# Altium PCB WX0.009.154PCB-4.2.PcbDoc (part 2 of 2)
Units mm, origin at the board's own origin, x right, y up, seen from the top; angles counter-clockwise.
Board outline 122.2 x 217 mm, 2 copper layers (Top Layer, Bottom Layer), stack 1.58 mm thick; 181 components, 142 nets, 624 pads, 569 vias.
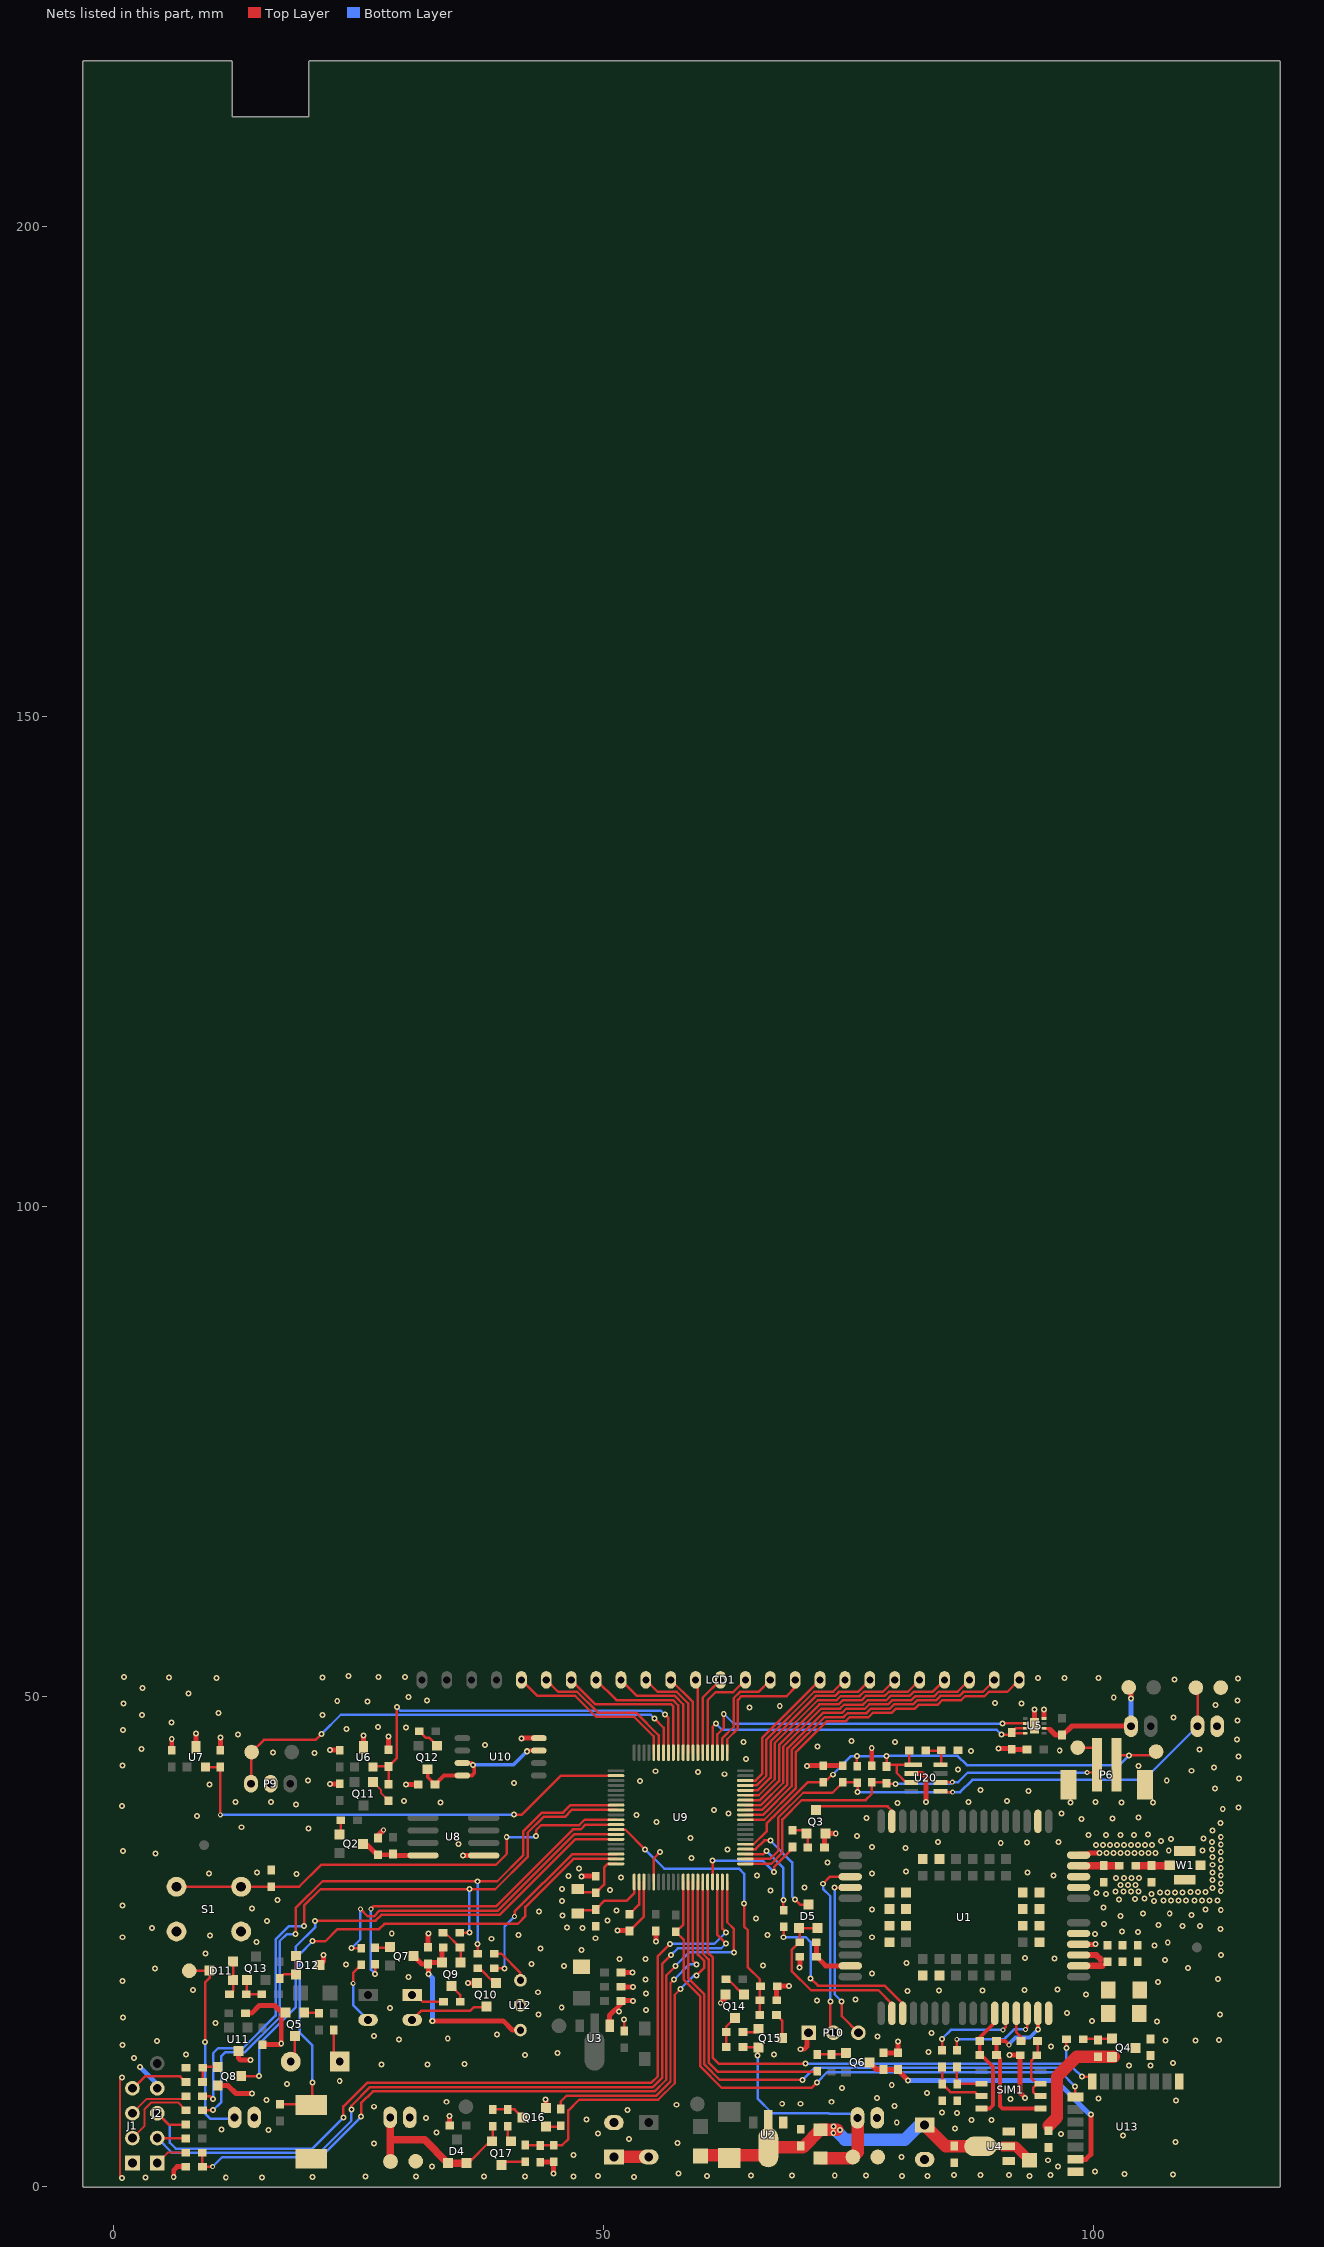
[diagram p2: the nets of this part, all layers, seen from the top]

## Via types
v1: diameter 0.61, hole 0.305, Top Layer to Bottom Layer, tented both sides, 536 vias
v2: diameter 0.508, hole 0.305, Top Layer to Bottom Layer, tented both sides, 19 vias
v3: diameter 0.508, hole 0.254, Top Layer to Bottom Layer, tented both sides, 8 vias
v4: diameter 0.635, hole 0.305, Top Layer to Bottom Layer, tented both sides, 6 vias

## Nets (pads, with @x,y where several pads share a name; then routed paths per layer and width w, separated by ;. In a path a pad name is that pad's centre, name@x,y a point inside that pad or via, vN(x,y) a via of type N, cw(c..) or ccw(c..) an arc to the next point about the centre after c; other vN are vias at no path point) (continued)
GND: C1.1 C2.1 C3.2 C4.2 C5.2 C7.2 C8.2 C9.1 C10.2 C13.2 C14.2 C15.2 C16.2 C17.2 C18.2 C19.2 C20.2 C21.2 C22.1 C23.1 C26.2 C27.2 C28.2 C29.2 C30.2 C31.2 C32.1 C33.1 C34.2 C35.2 C36.2 C38.2 C39.1 C40.2 C41.1 C42.2 C43.2 C44.2 C45.2 C46.2 C47.2 C48.2 C49.2 C50.2 C51.1 C52.2 C60.2 C61.2 D12.3 J1.1 J2.4 P1.1 P2.1 P5.1 P6.3 P6.4 P7.2 P9.2 P10.1 Q3.2 Q5.2 Q8.2 Q10.2 Q14.2 Q16.2 R28.1 R38.1 R56.2 R78.2 R82.2 S1.2 S2.2 TP5.1 TP6.1 TP12.1 U1.2 U1.43 U1.47 U1.48 U1.51 U1.52 U1.54 U1.59 U1.60 U1.61 U1.62 U1.63 U1.64 U1.65 U1.66 U1.71 U1.72 U1.73 U1.74 U1.81 U1.82 U1.83 U1.92 U1.93 U1.94 U2.1 U3.1 U4.1 U5.4 U5.9 U6.3 U7.3 U8.1 U9.63 U9.65 U10.4 U11.3 U12.2 U13.1 U13.15 U20.2 W1.2 | length 122.1
  Top Layer w0.203: v1(0.889,11.074) 0.711,10.897 0.711,1.041 v1(0.914,0.838)
  Top Layer w0.254: C3.2@52.146,15.837 v1(52.146,16.993) ; C38.2@52.68,26.047 54.162,27.53 U9.63@54.162,31.043 ; U9.65@55.162,31.043 55.162,33.445 v1(55.804,34.087)
  Top Layer w0.508: C28.2@5.969,44.488 v1(5.969,45.644) ; v1(6.172,0.914) 6.172,1.626 6.528,1.981 C43.2@7.404,1.981 ; U7.3@8.458,44.806 v1(8.458,46.177) ; Q8.2@10.662,10.277 11.694,10.277 12.522,9.449 v1@14.173,9.449 ; C29.2@10.922,44.488 v1(10.922,45.771) ; U11.3@12.77,13.8 12.77,13.062 12.979,12.852 v1(13.995,12.852) ; C47.2@13.5,17.653 14.122,17.653 14.91,18.44 16.459,18.44 17.19,17.71 Q5.2@17.592,17.71 17.145,17.263 v1(17.145,14.554) 17.03,14.44 C48.2@15.24,14.44 ; D12.3@21.063,22.555 21.438,22.93 v1(21.438,23.597) ; v1(22.098,44.501) 22.11,44.488 C27.2@23.114,44.488 ; v1(22.136,41.059) C45.2@23.114,41.059 ; v1(25.527,45.999) 25.552,45.974 U6.3@25.552,44.806 ; C34.2@27.026,35.522 27.026,35.789 v2(27.584,36.347) ; v1(28.067,45.872) 28.092,45.847 C30.2@28.092,44.539 ; v1(29.896,40.996) C36.2@31.127,40.996 ; C9.1@32.131,24.371 32.131,25.73 v1(32.182,25.781) ; C10.2@34.328,6.198 v1(34.328,7.15) ; v1(35.687,33.731) 35.687,33.757 U8.1@37.808,33.757 ; v1(36.189,20.733) Q10.2@37.14,20.733 ; v1@41.707,45.72 U10.4@43.434,45.72 ; R82.2@43.563,2.438 C32.1@44.922,2.438 ; Q16.2@44.151,7.976 v1@44.151,8.833 ; v1(44.911,1.27) 44.922,1.281 C32.1@44.922,2.591 ; v1@47.79,31.635 C41.1@49.251,31.635 ; U3.1@50.648,16.358 50.648,17.424 51.829,18.606 C4.2@51.829,18.898 51.854,18.923 v1@53.035,18.923 ; v1(51.46,26.098) 52.629,26.098 C38.2@52.68,26.047 ; C5.2@51.829,20.345 v1@53.061,20.345 ; C8.2@51.829,21.793 v1@52.984,21.793 ; v1(55.372,24.968) C39.1@55.372,26.048 ; v2(61.976,18.694) 62.489,19.207 Q14.2@62.489,19.564 ; R56.2@67.713,18.961 67.713,20.355 C51.1@67.754,20.396 67.78,20.422 v1(68.961,20.422) ; v1(70.053,22.301) 70.066,22.289 C26.2@70.066,23.419 ; v1(70.129,13.97) 70.51,13.97 70.79,14.249 70.79,15.469 P10.1@70.968,15.646 ; v1(70.815,42.875) 70.853,42.913 C33.1@72.466,42.913 ; 71.45,42.926 74.447,42.926 C35.2@74.447,42.914 ; R28.1@72.593,34.569 72.593,35.905 72.654,35.966 v1(73.736,35.966) ; C49.2@77.411,42.914 v1(77.411,44.712) ; C61.2@78.613,13.602 C60.2@80.086,13.602 v1(80.086,14.757) ; U20.2@81.431,42.106 82.557,42.106 82.956,41.707 v1(82.956,39.218) ; v1(90.348,44.653) 91.627,44.653 C22.1@91.694,44.586 91.707,44.573 C23.1@93.256,44.573 ; v1@91.463,13.363 C21.2@92.554,13.363 92.554,9.529 v1(93.066,9.017) ; v1(94.028,48.641) 94.031,48.639 U5.9@94.031,46.973 ; U5.4@94.981,47.854 v1@94.981,48.624 ; U1.47@98.518,24.682 100.247,24.682 v1(100.254,24.689) ; U1.54@98.518,33.782 98.62,33.884 99.543,33.884 99.644,33.985 v1(100.635,33.985)
  Bottom Layer w0.203: v1@0.711,1.041 v1@0.711,10.897
  Bottom Layer w0.508: v1(2.743,12.141) 4.496,10.389 J2.4@4.496,9.982
  other v1: 3.302,0.864 11.481,0.889 15.189,0.889 20.345,0.914 53.162,0.914 25.756,0.965 30.912,0.96 37.821,0.965 42.037,0.965 46.965,0.965 49.454,1.016 60.604,1.016 80.518,1.016 83.109,1.016 93.523,1.016 65.1,1.067 69.291,1.067 73.635,1.067 76.835,1.067 85.801,1.118 95.656,1.118 88.519,1.143 91.415,1.143 108.179,1.168 103.226,1.219 57.709,1.295 100.203,1.499 96.418,1.981 32.512,2.007 95.402,2.642 80.442,2.972 46.965,3.175 26.619,4.369 57.582,4.42 108.407,4.521 52.629,4.826 103.073,5.156 96.723,5.334 49.454,5.385 32.969,5.461 15.824,5.74 11.024,5.791 85.928,5.867 79.962,6.477 87.595,6.756 89.637,6.756 48.311,6.807 31.902,6.96 86.131,7.442 84.582,7.493 52.476,7.747 26.619,8.103 79.756,8.179 57.48,8.306 68.275,8.407 70.155,8.407 34.011,8.611 73.279,8.611 108.458,8.738 15.621,8.788 44.12,8.865 91.592,8.915 100.559,8.941 77.927,8.992 14.148,9.449 83.058,9.5 74.397,10.033 79.451,10.338 17.755,10.439 23.114,10.719 103.657,12.319 105.867,12.319 27.356,12.395 32.055,12.395 35.839,12.471 108.179,12.548 2.134,13.081 91.491,13.36 42.012,13.386 7.442,13.411 67.412,13.437 45.339,13.564 83.21,13.691 95.707,14.249 0.94,14.402 4.47,14.834 110.439,14.859 107.391,14.884 112.827,14.91 29.159,14.961 34.138,15.088 77.978,15.291 26.594,15.316 39.141,15.469 83.49,15.646 10.414,16.662 106.528,16.789 99.898,16.866 0.991,17.196 43.383,17.501 112.954,17.501 97.333,17.653 51.638,17.831 54.381,17.958 28.245,18.161 45.771,18.237 53.035,18.898 71.831,18.923 75.743,19.025 99.263,19.558 54.381,19.66 43.358,19.787 81.077,19.914 84.277,19.964 88.697,19.99 8.153,20.015 92.989,20.015 96.368,20.091 53.035,20.345 106.604,20.828 0.965,20.955 54.331,21.107 112.751,21.158 30.124,21.336 77.419,21.692 52.984,21.819 4.267,22.2 109.703,22.276 45.999,22.454 66.319,22.53 23.774,22.606 42.672,22.664 80.975,22.784 107.34,23.063 54.331,23.165 51.689,23.19 96.063,23.216 93.04,23.292 113.055,23.597 9.423,23.724 47.803,24.079 43.612,24.232 106.274,24.562 107.62,24.841 14.63,24.917 38.608,25.248 49.2,25.298 0.965,25.4 77.445,25.4 9.855,25.578 41.377,25.629 66.777,25.629 100.203,25.756 28.423,25.806 104.572,25.959 102.972,25.984 113.005,26.264 3.962,26.34 47.904,26.365 46.33,26.416 109.118,26.543 110.896,26.543 106.655,26.67 101.117,26.746 15.697,27.051 50.419,27.127 65.608,27.305 102.794,27.584 45.847,27.61 110.033,27.686 105.105,27.813 107.823,27.838 43.434,28.016 51.359,28.118 113.03,28.194 77.419,28.219 111.481,28.219 14.173,28.321 101.067,28.448 0.965,28.626 45.796,29.108 106.223,29.108 107.163,29.134 107.942,29.134 108.72,29.134 109.499,29.134 110.338,29.134 111.117,29.134 111.895,29.134 112.674,29.134 16.739,29.21 102.641,29.261 104.292,29.286 105.232,29.362 101.295,29.82 105.969,29.82 100.355,29.921 106.807,29.972 107.586,29.972 108.365,29.972 109.144,29.972 109.931,29.997 110.71,29.997 111.489,29.997 102.311,30.048 103.09,30.048 103.869,30.048 104.648,30.048 113.03,30.124 67.081,30.15 50.698,30.201 45.796,30.328 112.166,30.429 70.561,30.48 102.785,30.734 103.564,30.734 104.343,30.734 113.03,30.903 112.166,31.242 102.362,31.445 103.141,31.445 103.92,31.445 104.699,31.445 51.841,31.496 47.777,31.623 46.482,31.648 113.03,31.682 65.684,31.725 95.936,31.725 18.694,31.852 9.754,31.902 77.419,31.928 93.294,32.004 14.656,32.029 112.166,32.021 80.899,32.106 47.523,32.41 113.03,32.461 112.166,32.8 72.873,33.045 113.03,33.299 59.03,33.503 112.166,33.579 4.293,33.934 101.352,33.985 102.07,33.985 102.787,33.985 103.505,33.985 104.223,33.985 104.94,33.985 105.658,33.985 106.375,33.985 113.03,34.078 0.991,34.214 107.721,34.265 111.176,34.265 62.687,34.341 112.141,34.366 80.848,34.519 77.419,34.595 100.279,34.798 100.997,34.798 101.714,34.798 102.432,34.798 103.149,34.798 103.867,34.798 104.584,34.798 105.302,34.798 106.02,34.798 113.03,34.857 35.23,34.9 90.576,35.001 93.243,35.052 84.176,35.103 96.469,35.103 112.141,35.145 106.909,35.23 107.95,35.433 111.277,35.484 58.928,35.535 113.03,35.636 75.895,35.712 101.295,35.814 102.794,35.814 104.165,35.814 99.543,35.839 105.613,35.865 112.192,36.271 19.939,36.5 13.081,36.627 113.005,37.084 55.423,37.16 98.806,37.465 101.981,37.516 76.886,37.592 104.623,37.617 8.56,37.795 53.416,37.897 96.774,38.024 62.789,38.049 61.29,38.405 113.233,38.506 114.859,38.633 0.914,38.786 18.669,38.938 80.061,39.116 97.714,39.141 106.096,39.141 33.376,39.167 102.895,39.167 16.104,39.192 87.274,39.192 100.254,39.192 12.471,39.218 29.693,39.294 91.211,39.319 93.396,40.31 88.494,40.411 112.42,40.564 9.804,40.996 40.919,41.148 53.772,41.351 19.888,41.402 107.518,41.402 114.884,41.605 62.382,42.037 59.69,42.266 55.347,42.342 110.058,42.393 86.208,42.52 112.344,42.748 104.623,42.901 0.94,42.926 64.592,43.612 114.859,43.866 20.523,44.196 16.281,44.272 87.528,44.425 96.596,44.45 110.846,44.552 2.87,44.602 71.882,44.882 37.948,45.009 64.313,45.339 79.781,45.339 75.362,45.441 114.706,45.568 41.681,45.695 12.751,46.101 0.991,46.558 23.8,46.66 29.896,46.787 27.026,46.863 5.944,47.32 114.732,47.523 108.204,47.828 2.921,48.082 21.361,48.082 10.719,48.311 94.996,48.666 64.922,48.844 68.021,48.997 112.471,49.098 1.067,49.276 92.685,49.276 89.992,49.301 25.933,49.454 22.86,49.505 114.757,49.555 32.029,49.581 102.108,49.86 30.124,49.911 7.696,50.267 2.972,50.851 108.331,51.689 114.783,51.791 10.541,51.841 94.386,51.841 97.079,51.841 100.559,51.841 5.69,51.892 21.361,51.918 1.118,51.943 27.076,51.968 29.769,51.968 24.003,52.045
GPRS_POWER: R18.1 U9.76 | length 56.8
  Top Layer w0.254: U9.76@60.662,31.043 60.662,23.852 61.189,23.326 61.189,13.081 61.773,12.497 v1(70.663,12.497) ; v1(97.282,14.097) R18.1@97.282,14.99
  Bottom Layer w0.254: v1(70.663,12.497) 96.952,12.497 97.282,12.827 v1(97.282,14.097)
GPRS_RST: R19.1 U9.77 | length 12.3
  Top Layer w0.254: U9.77@61.162,31.043 61.162,33.222 v1(61.163,33.223) ; v1(67.437,32.055) 67.437,32.563 69.317,34.442 R19.1@69.317,34.62
  Bottom Layer w0.254: v1(61.163,33.223) 66.269,33.223 v1(67.437,32.055)
HALL1_INTP6: C29.1 U7.2 U9.42 | length 48.3
  Top Layer w0.254: U7.2@9.423,42.774 10.732,42.774 10.922,42.583 v3(10.922,37.897) ; v1(40.894,37.922) 41.705,37.922 45.675,41.893 U9.42@51.312,41.893
  Bottom Layer w0.254: v3(10.922,37.897) 40.869,37.897 v1(40.894,37.922)
HALL2_INTP7: C30.1 R3.1 U6.2 U9.33 | length 41.6
  Top Layer w0.254: U6.2@26.518,42.774 26.581,42.837 C30.1@28.092,42.837 ; R3.1@28.092,41.021 C30.1@28.092,42.837 ; v1(28.956,48.92) 28.956,43.701 C30.1@28.092,42.837 ; v1(56.286,48.133) 56.662,47.757 U9.33@56.662,44.243
  Bottom Layer w0.254: v1(28.956,48.92) 28.931,48.895 29.286,48.539 55.88,48.539 v1(56.286,48.133)
IR_PWM: R20.1 U9.58 | length 20
  Top Layer w0.254: R20.1@38.887,22.225 v4(39.929,22.225) ; v2(40.97,27.534) 40.97,28.009 46.854,33.893 U9.58@51.312,33.893
  Bottom Layer w0.254: v4(39.929,22.225) 39.929,26.492 v2(40.97,27.534)
IRDA_CTL: R27.1 U9.52 | length 36.4
  Top Layer w0.254: v2(26.289,28.296) 26.543,28.55 39.068,28.55 46.917,36.398 47.713,36.398 48.208,36.893 U9.52@51.312,36.893 ; v1(26.721,21.666) R27.1@26.721,22.631
  Bottom Layer w0.254: v2(26.289,28.296) 26.289,22.098 v1(26.721,21.666)
IRDA_POW: C9.2 Q7.3 Q9.2 R10.2 U12.3 | length 20.3
  Top Layer w0.508: Q7.3@30.639,23.52 31.49,22.669 C9.2@32.131,22.669 ; v4(32.182,21.641) 32.182,22.568 32.207,22.593 C9.2@32.131,22.669 ; v4(32.563,16.866) 39.802,16.866 40.742,15.926 U12.3@41.554,15.926 ; R10.2@33.68,24.359 33.553,24.232 Q9.2@33.553,22.841 32.303,22.841 C9.2@32.131,22.669
  Bottom Layer w0.508: v4(32.182,21.641) 32.563,21.26 v4(32.563,16.866)
IRDA_RXD1: R9.2 R37.2 U9.48 | length 72.8
  Top Layer w0.254: R37.2@9.115,7.749 v1(10.185,7.749) ; v1(18.618,25.73) 18.618,28.373 21.36,31.115 v1(37.186,31.115) 39.191,31.115 41.859,33.783 41.859,36.245 43.74,38.125 45.91,38.125 46.677,38.893 U9.48@51.312,38.893 ; R9.2@37.186,23.724 v1(37.186,24.714)
  Bottom Layer w0.254: v1(10.185,7.749) 10.194,7.749 10.998,8.553 10.998,13.233 11.405,13.64 13.412,13.64 16.993,17.22 16.993,25 17.723,25.73 v1(18.618,25.73) ; v1(37.186,24.714) v1(37.186,31.115)
IRDA_TXD1: R12.1 R36.2 U9.49 | length 69.9
  Top Layer w0.254: R36.2@9.115,9.183 9.892,9.183 v1(10.185,8.89) ; v1(19.482,26.543) 19.482,28.626 21.158,30.302 38.989,30.302 42.291,33.604 42.291,36.066 43.919,37.694 46.089,37.694 46.788,38.393 U9.49@51.312,38.393 ; R12.1@35.357,25.857 35.382,25.883 v1(36.347,25.883)
  Bottom Layer w0.254: v1(10.185,8.89) 10.185,13.564 10.693,14.072 13.233,14.072 16.561,17.399 16.561,25.179 17.925,26.543 v1(19.482,26.543) ; v1@36.347,25.857 v1(36.347,25.883) v1(36.347,30.302)
KEY_INTP0: C31.1 S1.1 U9.51 | length 49
  Top Layer w0.254: S1.1@6.452,30.556 S1.1@13.056,30.556 18.97,30.557 21.205,32.791 39.036,32.791 40.157,33.913 v1(40.157,35.611) ; v1(43.155,35.738) 43.155,36.319 43.666,36.83 47.534,36.83 48.097,37.393 U9.51@51.312,37.393
  Bottom Layer w0.254: v1(40.157,35.611) 43.028,35.611 v1(43.155,35.738)
LED: R7.1 U9.54 | length 35.3
  Top Layer w0.254: v1(24.308,24.282) R7.1@25.298,24.282 ; v2(25.222,28.296) 25.222,28.285 25.973,27.534 26.605,27.534 27.189,28.118 39.247,28.118 47.022,35.893 U9.54@51.312,35.893
  Bottom Layer w0.254: v1(24.308,24.282) 25.222,25.197 v2(25.222,28.296)
MCU_RXD0: R29.2 U9.3 | length 9.1
  Top Layer w0.254: U9.3@64.512,33.893 66.354,33.893 v1(66.675,34.214) ; v1(68.402,29.21) 68.402,28.194 R29.2@68.428,28.169
  Bottom Layer w0.254: v1(66.675,34.214) 68.402,32.487 v1(68.402,29.21)
MCU_TXD0: D5.3 U9.4 | length 11.6
  Top Layer w0.254: U9.4@64.512,34.393 65.559,34.393 66.446,35.281 v1(67.056,35.281) ; v1(69.596,29.235) 70.098,28.734 D5.3@70.936,28.734
  Bottom Layer w0.254: v1(67.056,35.281) 69.291,33.045 69.291,29.54 v1(69.596,29.235)
NetB1_1: B1.1 R42.1 | length 3.5
  Top Layer w0.254: R42.1@22.49,15.94 22.49,13.324 B1.1@23.114,12.7
NetB1_2: B1.2 Q5.3 | length 2.8
  Top Layer w0.254: B1.2@18.114,12.7 18.542,13.128 Q5.3@18.542,15.31
NetC1_2: C1.2 R2.1 W1.1 | length 3.4
  Top Layer w0.762: R2.1@104.369,32.69 W1.1@107.772,32.69
NetC2_2: C2.2 R2.2 U1.53 | length 4.1
  Top Layer w0.762: U1.53@98.518,32.682 R2.2@102.659,32.682
NetC6_2: C6.2 C44.1 | length 3.6
  Top Layer w1.27: C44.1@51.1,2.983 C6.2@54.656,2.983
NetC34_1: C34.1 Q2.3 R45.1 U8.8 | length 6.5
  Top Layer w0.508: Q2.3@25.508,34.929 25.802,34.929 26.911,33.82 C34.1@27.026,33.82 28.458,33.82 R45.1@28.541,33.903 ; R45.1@28.623,33.757 U8.8@31.608,33.757
NetC36_1: C36.1 Q12.3 U10.3 U10.7 U10.8 | length 15.7
  Top Layer w0.381: Q12.3@32.086,42.547 32.086,41.739 C36.1@32.829,40.996 33.744,41.91 U10.8@35.634,41.91 36.601,41.91 36.83,42.139 36.83,42.901 v1(36.728,43.002) 36.551,43.18 U10.7@35.634,43.18 ; v4(42.215,44.374) 42.291,44.45 U10.3@43.434,44.45
  Bottom Layer w0.381: v1(36.728,43.002) 40.843,43.002 v4(42.215,44.374)
NetC38_1: C38.1 U9.62 | length 3.7
  Top Layer w0.254: C38.1@52.68,27.749 53.662,28.732 U9.62@53.662,31.043
NetC52_1: C52.1 Q4.2 R16.2 R50.2 U4.3 | length 12
  Top Layer w1.27: 95.453,6.147 96.317,7.01 96.317,11.176 98.352,13.212 R16.2@100.508,13.212 Q4.2@102.108,13.212
NetD1_1: D1.1 R17.1 | length 3.5
  Top Layer w0.254: D1.1@30.505,19.507 30.886,19.507 31.572,18.821 R17.1@33.706,18.821
NetD1_2: D1.2 Q10.3 | length 8.1
  Top Layer w0.254: D1.2@30.505,16.967 31.42,17.882 36.424,17.882 36.805,18.263 38.02,18.263 Q10.3@38.09,18.333
NetD5_1: D5.1 D5.2 R34.2 U1.29 | length 19.2
  Top Layer w0.254: D5.2@71.886,26.334 D5.1@69.986,26.334 70.053,26.267 R34.2@70.053,24.892 69.24,24.079 69.24,21.965 71.215,19.99 78.08,19.99 79.468,18.601 U1.29@79.468,17.632
NetD7_2: D7.2 R7.2 | length 6.6
  Top Layer w0.254: v3(24.486,20.701) 24.486,21.768 R7.2@25.298,22.581
  Bottom Layer w0.254: v3(24.486,20.701) 24.486,18.491 D7.2@26.01,16.967
NetD11_1: D11.1 D11.2 R74.2 | length 3.5
  Top Layer w0.254: R74.2@11.862,19.583 12.224,19.945 D11.1@12.224,21.046 D11.2@12.224,22.946
NetD11_3: D11.3 P5.2 TP20.1 | length 20.2
  Top Layer w0.254: TP20.1@7.747,21.971 7.772,21.996 D11.3@9.824,21.996 9.824,21.254 9.373,20.803 v1(9.373,14.707)
  Bottom Layer w0.254: v1(9.373,14.707) 9.373,7.412 9.927,6.858 12.233,6.858 P5.2@12.386,7.01
NetD12_1: D12.1 D12.2 R75.1 | length 3.7
  Top Layer w0.254: R75.1@16.993,21.195 17.403,21.605 D12.2@18.663,21.605 D12.1@18.663,23.505
NetJ1_2: J1.2 R37.1 | length 8.3
  Top Layer w0.203: J1.2@1.956,4.902 3.2,6.147 3.2,7.874 3.861,8.534 6.628,8.534 R37.1@7.413,7.749
NetJ1_3: J1.3 R36.1 | length 6.2
  Top Layer w0.203: J1.3@1.956,7.442 3.429,8.915 7.146,8.915 R36.1@7.413,9.183
NetJ1_4: J1.4 R31.1 | length 6.2
  Top Layer w0.254: J1.4@1.956,9.982 2.032,9.982 3.251,11.201 6.829,11.201 R31.1@7.413,10.617
NetJ2_1: J2.1 R1.2 | length 3.3
  Top Layer w0.203: J2.1@4.496,2.362 5.554,3.421 R1.2@7.388,3.421
NetP10_2: P10.2 U1.19 | length 18.6
  Top Layer w0.254: v1(72.441,30.861) 73.162,31.582 U1.19@75.218,31.582 ; v1(73.177,18.847) 73.177,15.748 P10.2@73.304,15.621
  Bottom Layer w0.254: v1(72.441,30.861) 72.441,30.328 73.177,29.591 v1@73.177,18.872
NetP10_3: P10.3 U1.20 | length 17.4
  Top Layer w0.254: v1(73.609,30.455) 75.191,30.455 U1.20@75.218,30.482 ; v1(74.346,18.847) 74.346,17.348 P10.3@76.048,15.646
  Bottom Layer w0.254: v1(73.609,30.455) 73.609,19.583 v1(74.346,18.847)
NetQ2_1: Q2.1 R44.2 | length 1.4
  Top Layer w0.254: Q2.1@23.216,35.784 R44.2@23.216,37.135
NetQ3_1: Q3.1 R19.2 R28.2 | length 3.1
  Top Layer w0.254: R19.2@69.317,36.322 70.437,36.322 Q3.1@70.774,35.986 70.891,35.868 R28.2@70.891,34.569
NetQ4_1: Q4.1 R16.1 R18.2 | length 2.8
  Top Layer w0.254: R18.2@99.114,15.066 Q4.1@101.924,15.066
NetQ5_1: Q5.1 R47.2 | length 1.4
  Top Layer w0.254: Q5.1@19.492,17.71 R47.2@20.923,17.71
NetQ6_1: Q6.1 R69.2 R70.2 | length 2.8
  Top Layer w0.254: R70.2@71.857,13.437 R69.2@73.304,13.437 Q6.1@74.634,13.437
NetQ7_1: Q7.1 R27.2 | length 1.6
  Top Layer w0.254: R27.2@26.721,24.333 28.152,24.333 Q7.1@28.239,24.42
NetQ8_1: Q8.1 R31.2 R38.2 | length 3.1
  Top Layer w0.254: R31.2@9.115,10.617 9.115,12.087 R38.2@9.119,12.09 9.205,12.177 Q8.1@10.662,12.177
NetQ9_1: Q9.1 R10.1 R12.2 | length 4
  Top Layer w0.254: R12.2@33.655,25.857 33.884,25.857 R10.1@35.382,24.359 35.453,24.287 Q9.1@35.453,22.841 Q9.1@35.408,22.887
NetQ9_3: Q9.3 R17.2 | length 2
  Top Layer w0.254: Q9.3@34.503,20.441 35.408,19.537 R17.2@35.408,18.821
NetQ10_1: Q10.1 R20.2 | length 2.1
  Top Layer w0.254: R20.2@37.42,22.2 Q10.1@38.913,20.707
NetQ11_1: Q11.1 R3.2 | length 2.6
  Top Layer w0.203: Q11.1@26.502,41.253 27.33,40.425 27.33,40.107 28.092,39.345 R3.2@28.092,39.319
NetQ12_1: Q12.1 R49.2 | length 2.4
  Top Layer w0.254: R49.2@31.217,46.431 31.877,45.771 32.212,45.771 Q12.1@33.036,44.947
NetQ13_1: Q13.1 R74.1 R76.2 | length 3.1
  Top Layer w0.254: Q13.1@13.63,21.042 13.63,19.649 R74.1@13.564,19.583 R76.2@15.164,19.583
NetQ14_1: Q14.1 R14.2 | length 2.5
  Top Layer w0.254: R14.2@62.535,21.031 62.814,21.031 64.281,19.564 Q14.1@64.389,19.564
NetQ14_3: Q14.3 R13.1 R55.1 | length 3.3
  Top Layer w0.254: R13.1@62.56,14.199 R55.1@62.56,15.723 62.56,16.285 Q14.3@63.439,17.164
NetQ15_1: Q15.1 R55.2 | length 1.7
  Top Layer w0.254: R55.2@64.262,15.723 65.518,15.723 Q15.1@65.859,16.063
NetQ15_3: Q15.3 R15.1 | length 2.6
  Top Layer w0.254: R15.1@67.687,17.475 68.259,16.904 Q15.3@68.259,15.113
NetQ16_1: Q16.1 R80.2 | length 1.4
  Top Layer w0.254: Q16.1@44.151,6.076 R80.2@45.573,6.076
NetQ16_3: Q16.3 R39.1 R40.1 | length 3.3
  Top Layer w0.254: R39.1@38.737,7.823 R40.1@40.261,7.823 40.954,7.823 Q16.3@41.751,7.026
NetQ17_1: Q17.1 R40.2 | length 1.7
  Top Layer w0.254: R40.2@40.261,6.121 40.261,4.893 Q17.1@40.576,4.578